# Altium PCB relay_matrix.PcbDoc (part 5 of 5)
Units mm, origin at the board's own origin, x right, y up, seen from the top; angles counter-clockwise.
Board outline 330 x 220 mm, 2 copper layers (Top Layer, Bottom Layer); 560 components, 391 nets, 2127 pads, 727 vias.
Unrouted connection lines stored in the file: 345.
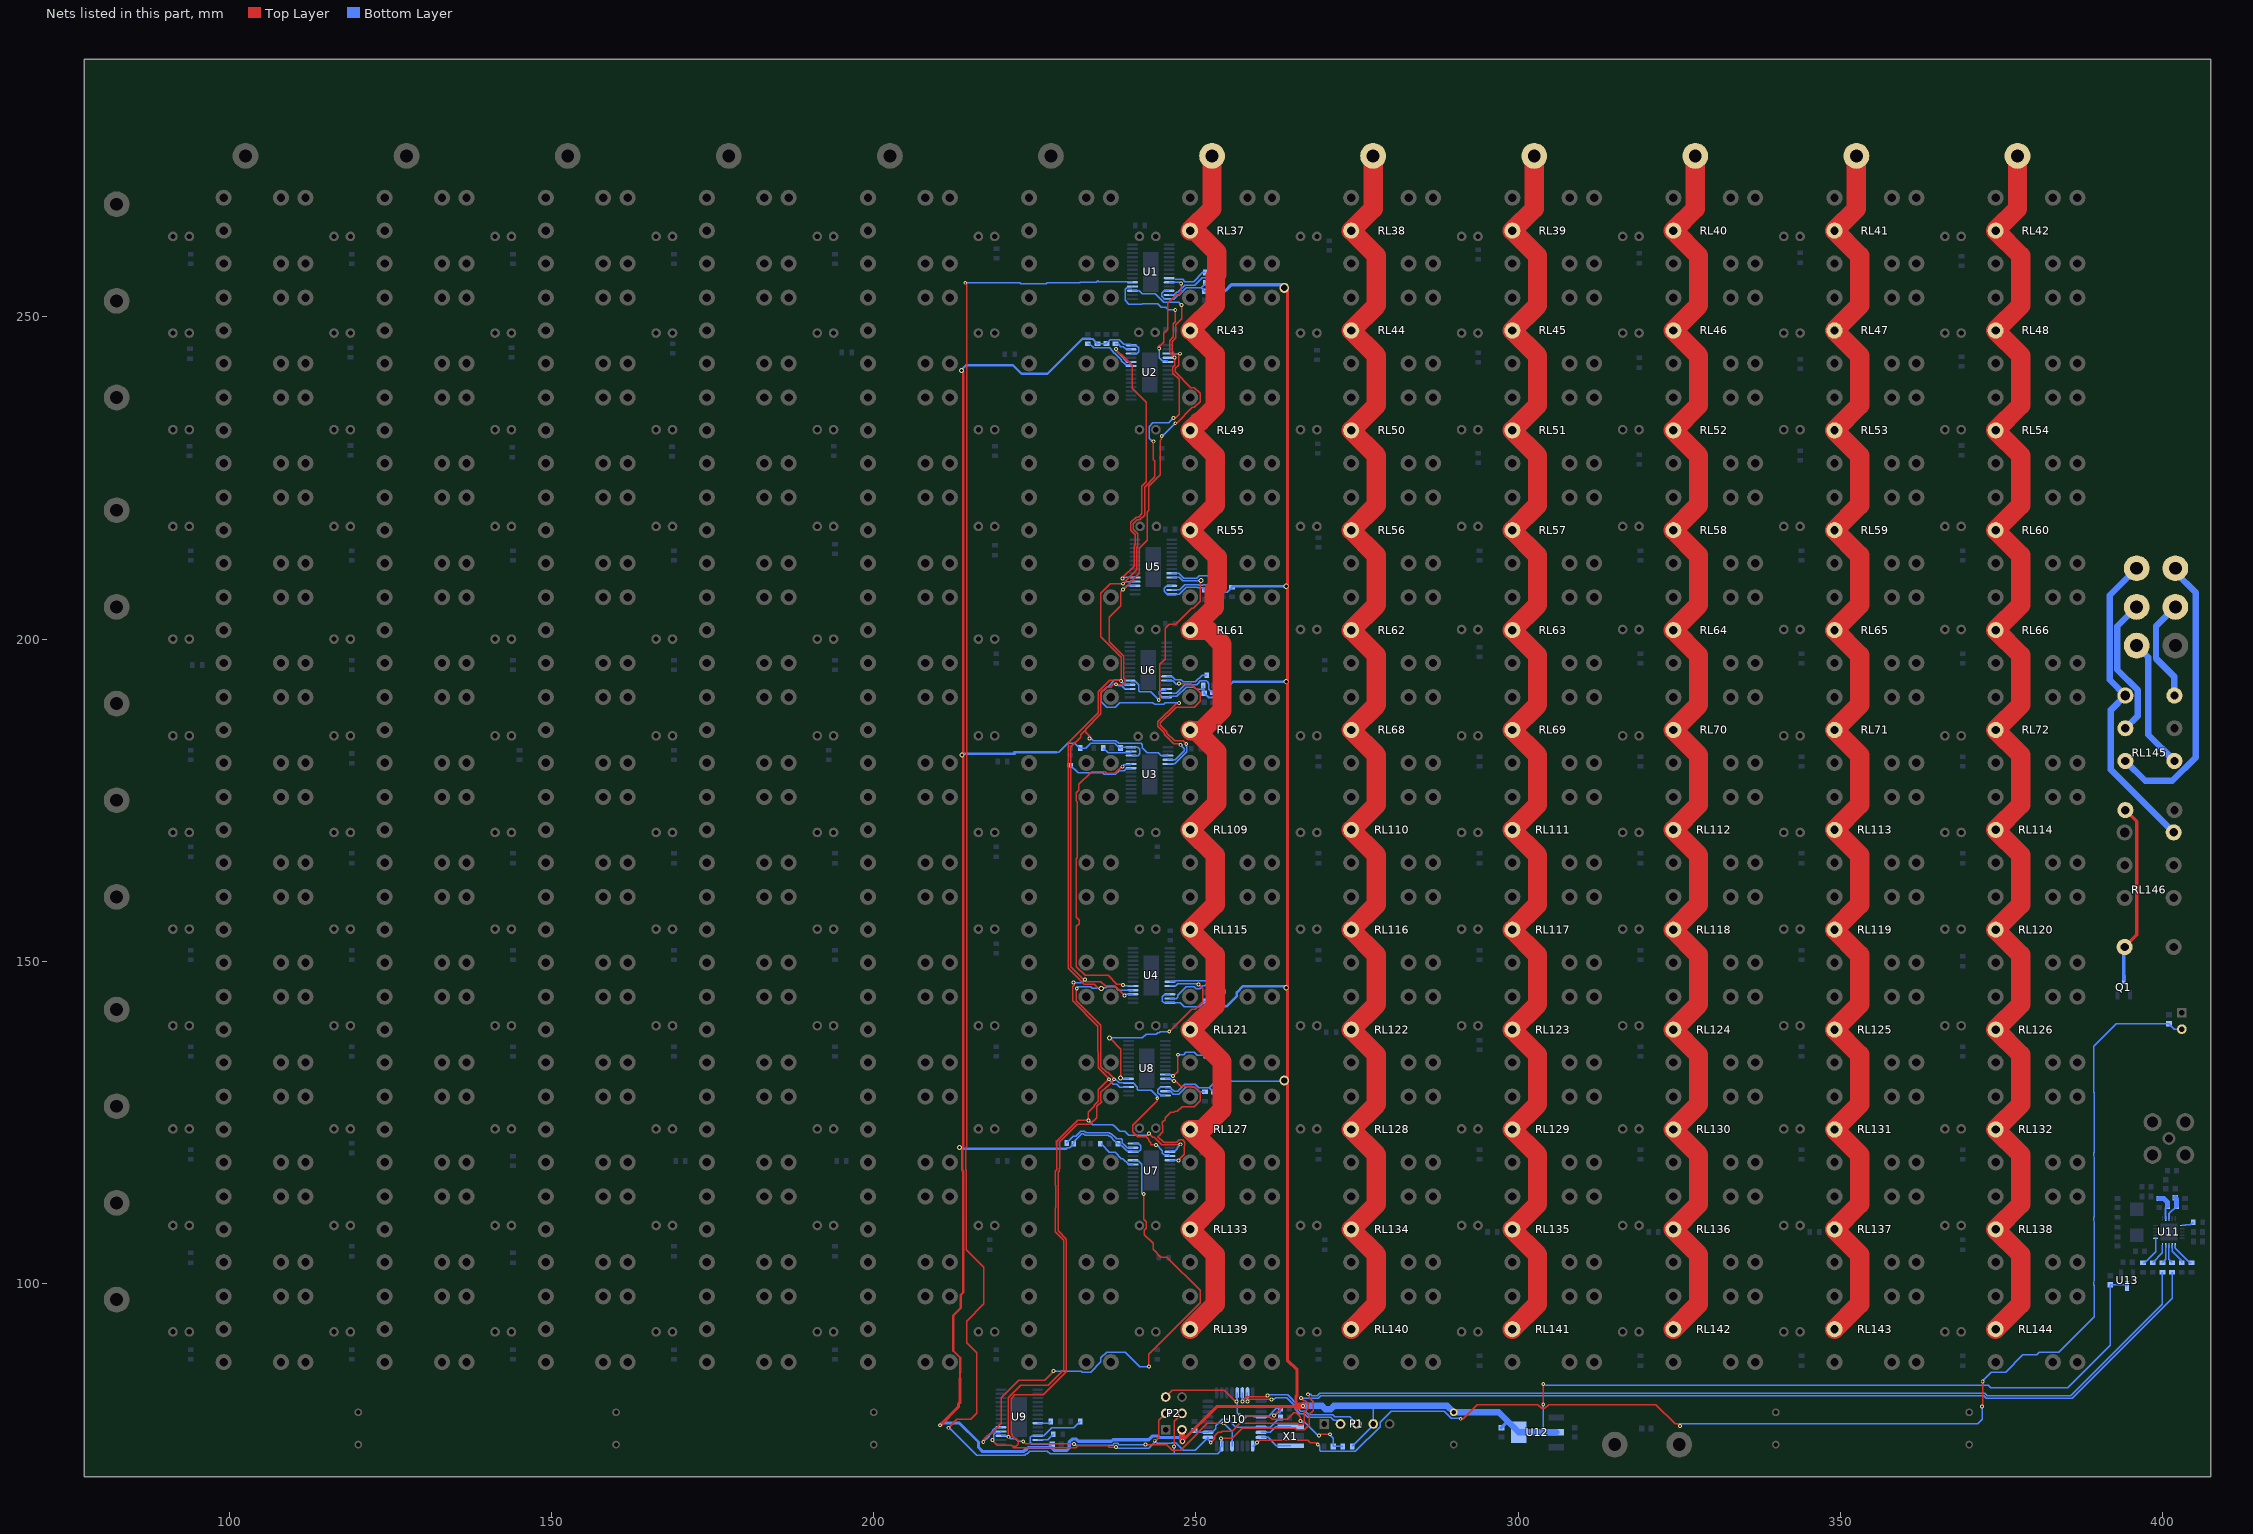
[diagram p5: the nets of this part, all layers, seen from the top]

## Via types
v1: diameter 0.8, hole 0.5, Top Layer to Bottom Layer, tented both sides, 222 vias
v2: diameter 0.8, hole 0.5, Top Layer to Bottom Layer, 209 vias
v3: diameter 0.6, hole 0.3, Top Layer to Bottom Layer, 179 vias
v4: diameter 0.5, hole 0.3, Top Layer to Bottom Layer, 108 vias
v5: diameter 7, hole 5, Top Layer to Bottom Layer, 6 vias
v6: diameter 1.5, hole 1, Top Layer to Bottom Layer, 3 vias

## Nets (pads, with @x,y where several pads share a name; then routed paths per layer and width w, separated by ;. In a path a pad name is that pad's centre, name@x,y a point inside that pad or via, vN(x,y) a via of type N, cw(c..) or ccw(c..) an arc to the next point about the centre after c; other vN are vias at no path point) (continued)
NetJ13_1: J13.1 RL37.2 RL43.2 RL49.2 RL55.2 RL61.2 RL67.2 RL109.2 RL115.2 RL121.2 RL127.2 RL133.2 RL139.2 | length 224.2
  Top Layer w3: RL139.2@249.1,92.9 253,96.8 253,104.5 RL133.2@249.1,108.4 253,112.3 253,120 RL127.2@249.1,123.9 251,123.9 254.05,126.95 254.05,134.45 RL121.2@249.1,139.4 249.303,139.4 253,143.097 253,151 RL115.2@249.1,154.9 253,158.8 253,166.5 RL109.2@249.1,170.4 253.25,174.55 253.25,182.519 249.969,185.8 249.2,185.8 RL67.2@249.1,185.9 ; 251.429,186.329 254.05,188.95 254.05,199.25 251.9,201.4 RL61.2@249.1,201.4 249.303,201.4 252.85,204.947 252.85,207.615 253.299,208.064 253.299,212.7 RL55.2@249.1,216.9 253,220.8 253,228.5 RL49.2@249.1,232.4 250.45,233.75 250.653,233.75 253,236.097 253,244.203 249.303,247.9 RL43.2@249.1,247.9 253,251.8 253,256.331 253.25,256.581 253.25,260.019 249.869,263.4 RL37.2@249.1,263.4 252.5,266.8 J13.1@252.5,275
NetJ14_1: J14.1 RL38.2 RL44.2 RL50.2 RL56.2 RL62.2 RL68.2 RL110.2 RL116.2 RL122.2 RL128.2 RL134.2 RL140.2 | length 219
  Top Layer w3: RL140.2@274.1,92.9 278,96.8 278,104.5 RL134.2@274.1,108.4 278,112.3 278,120 RL128.2@274.1,123.9 278,127.8 278,135.5 RL122.2@274.1,139.4 278,143.3 278,151 RL116.2@274.1,154.9 278,158.8 278,166.5 RL110.2@274.1,170.4 278,174.3 278,182 RL68.2@274.1,185.9 278,189.8 278,197.5 RL62.2@274.1,201.4 278,205.3 278,213 RL56.2@274.1,216.9 278,220.8 278,228.5 RL50.2@274.1,232.4 278,236.3 278,244 RL44.2@274.1,247.9 278,251.8 278,259.5 RL38.2@274.1,263.4 277.5,266.8 J14.1@277.5,275
NetJ15_1: J15.1 RL39.2 RL45.2 RL51.2 RL57.2 RL63.2 RL69.2 RL111.2 RL117.2 RL123.2 RL129.2 RL135.2 RL141.2 | length 219
  Top Layer w3: RL141.2@299.1,92.9 303,96.8 303,104.5 RL135.2@299.1,108.4 303,112.3 303,120 RL129.2@299.1,123.9 303,127.8 303,135.5 RL123.2@299.1,139.4 303,143.3 303,151 RL117.2@299.1,154.9 303,158.8 303,166.5 RL111.2@299.1,170.4 303,174.3 303,182 RL69.2@299.1,185.9 303,189.8 303,197.5 RL63.2@299.1,201.4 303,205.3 303,213 RL57.2@299.1,216.9 303,220.8 303,228.5 RL51.2@299.1,232.4 303,236.3 303,244 RL45.2@299.1,247.9 303,251.8 303,259.5 RL39.2@299.1,263.4 302.5,266.8 J15.1@302.5,275
NetJ16_1: J16.1 RL40.2 RL46.2 RL52.2 RL58.2 RL64.2 RL70.2 RL112.2 RL118.2 RL124.2 RL130.2 RL136.2 RL142.2 | length 219
  Top Layer w3: RL142.2@324.1,92.9 328,96.8 328,104.5 RL136.2@324.1,108.4 328,112.3 328,120 RL130.2@324.1,123.9 328,127.8 328,135.5 RL124.2@324.1,139.4 328,143.3 328,151 RL118.2@324.1,154.9 328,158.8 328,166.5 RL112.2@324.1,170.4 328,174.3 328,182 RL70.2@324.1,185.9 328,189.8 328,197.5 RL64.2@324.1,201.4 328,205.3 328,213 RL58.2@324.1,216.9 328,220.8 328,228.5 RL52.2@324.1,232.4 328,236.3 328,244 RL46.2@324.1,247.9 328,251.8 328,259.5 RL40.2@324.1,263.4 327.5,266.8 J16.1@327.5,275
NetJ17_1: J17.1 RL41.2 RL47.2 RL53.2 RL59.2 RL65.2 RL71.2 RL113.2 RL119.2 RL125.2 RL131.2 RL137.2 RL143.2 | length 219
  Top Layer w3: RL143.2@349.1,92.9 353,96.8 353,104.5 RL137.2@349.1,108.4 353,112.3 353,120 RL131.2@349.1,123.9 353,127.8 353,135.5 RL125.2@349.1,139.4 353,143.3 353,151 RL119.2@349.1,154.9 353,158.8 353,166.5 RL113.2@349.1,170.4 353,174.3 353,182 RL71.2@349.1,185.9 353,189.8 353,197.5 RL65.2@349.1,201.4 353,205.3 353,213 RL59.2@349.1,216.9 353,220.8 353,228.5 RL53.2@349.1,232.4 353,236.3 353,244 RL47.2@349.1,247.9 353,251.8 353,259.5 RL41.2@349.1,263.4 352.5,266.8 J17.1@352.5,275
NetJ18_1: J18.1 RL42.2 RL48.2 RL54.2 RL60.2 RL66.2 RL72.2 RL114.2 RL120.2 RL126.2 RL132.2 RL138.2 RL144.2 | length 219
  Top Layer w3: RL144.2@374.1,92.9 378,96.8 378,104.5 RL138.2@374.1,108.4 378,112.3 378,120 RL132.2@374.1,123.9 378,127.8 378,135.5 RL126.2@374.1,139.4 378,143.3 378,151 RL120.2@374.1,154.9 378,158.8 378,166.5 RL114.2@374.1,170.4 378,174.3 378,182 RL72.2@374.1,185.9 378,189.8 378,197.5 RL66.2@374.1,201.4 378,205.3 378,213 RL60.2@374.1,216.9 378,220.8 378,228.5 RL54.2@374.1,232.4 378,236.3 378,244 RL48.2@374.1,247.9 378,251.8 378,259.5 RL42.2@374.1,263.4 377.5,266.8 J18.1@377.5,275
NetJ29_1: J29.1 RL145.3 | length 20.3
  Bottom Layer w1: J29.1@396,199 397.8,197.2 397.8,185.152 RL145.3@401.863,181.089
NetJ30_1: J30.1 RL145.7 | length 16.2
  Bottom Layer w1: RL145.7@401.863,191.249 401.863,194.137 399,197 399,202 J30.1@402,205
NetJ32_1: J32.1 RL145.6 | length 22.2
  Bottom Layer w1: RL145.6@394.243,186.169 396.193,188.119 396.193,192.057 393,195.25 393,202 J32.1@396,205
NetJ33_1: J33.1 RL145.4 | length 44.4
  Bottom Layer w1: RL145.4@394.243,181.089 397.332,178 401.531,178 405.2,181.669 405.2,207.2 402,210.4 J33.1@402,211
NetL1_2: L1.2 L2.2 U11.13 | length 3.8
  Bottom Layer w0.3: U11.13@401,110.075 401,110.8 L2.2@402.2,112
  Bottom Layer w0.8: L1.2@402,113.3 402.2,113.1 L2.2@402.2,112
NetL2_1: L2.1 L3.2 U11.12 | length 4.2
  Bottom Layer w0.3: U11.12@400.5,110.075 400.5,111.7 L2.1@400.8,112
  Bottom Layer w0.8: L3.2@399.5,113.2 400.2,113.2 400.8,112.6 L2.1@400.8,112
NetQ1_1: Q1.1 RL145.2 RL146.2 | length 27.9
  Top Layer w0.5: RL146.2@394.13,152.22 396,154.09 396,171.712 RL145.2@394.243,173.469
  Bottom Layer w0.5: Q1.1@394,147.175 394,152.09 RL146.2@394.13,152.22
NetR145_2: R145.2 U1.27 | length 9.8
  Bottom Layer w0.2: U1.27@245.85,253.425 246.626,253.425 247.001,253.8 247.142,253.8 248.292,254.95 249.85,254.95 250.95,256.05 251.924,256.05 252.1,255.874 252.1,254.926 253.076,253.95 R145.2@253.1,253.95
NetR146_2: R146.2 U2.27 | length 2.9
  Bottom Layer w0.2: R146.2@237.5,245.85 R146.2@237.9,245.85 ; R146.2@237.85,245.9 R146.2@237.9,245.85 ; U2.27@239.95,244.975 239.173,244.975 238.748,245.4 238.366,245.4 237.916,245.85 R146.2@237.9,245.85
NetR147_2: R147.2 U5.27 | length 7.3
  Bottom Layer w0.2: U5.27@246.25,207.625 247.467,207.625 248.292,208.45 250.459,208.45 250.51,208.4 251.089,208.4 251.14,208.45 252,208.45 R147.2@252.8,207.65
NetR148_2: R148.2 U6.27 | length 8.5
  Bottom Layer w0.2: 246.3,191.625 246.967,191.625 248.292,192.95 249.9,192.95 ; 249.908,192.95 249.9,192.95 ; R148.2@252.6,191.65 252.576,191.65 252,192.226 252,193.1 251.8,193.3 251.8,193.374 251.624,193.55 250.676,193.55 250.5,193.374 250.5,193.334 250.116,192.95 249.9,192.95
NetR149_2: R149.2 U3.27 | length 4.7
  Bottom Layer w0.2: R149.2@235.65,183.1 235.65,183.076 236.376,182.35 239.028,182.35 239.078,182.4 239.775,182.4 U3.27@239.95,182.575
NetR150_2: R150.2 U4.27 | length 11
  Bottom Layer w0.2: U4.27@245.95,144.225 246.975,144.225 247.15,144.4 247.15,144.742 248.458,146.05 249.742,146.05 250.017,145.775 250.624,145.775 251.027,146.179 251.395,146.179 252.166,146.95 253.45,146.95 254.1,146.3 R150.2@254.1,145.25
NetR151_2: R151.2 U8.27 | length 6.7
  Bottom Layer w0.2: U8.27@245.65,129.825 245.675,129.8 246.085,129.8 246.485,129.4 247.308,129.4 248.458,130.55 249.742,130.55 250.542,129.75 R151.2@251.4,129.75
NetR152_2: R152.2 U7.27 | length 12.4
  Bottom Layer w0.2: R152.2@229.95,121.8 229.95,121.824 230.976,122.85 231.344,122.85 232.144,123.65 232.704,123.65 232.954,123.4 236.562,123.4 236.712,123.25 236.853,123.25 237.603,122.5 237.666,122.5 237.716,122.45 238.424,122.45 238.6,122.274 238.6,121.8 238.8,121.6 238.814,121.6 239.339,121.075 U7.27@240.25,121.075
NetR153_2: R153.2 U9.27 | length 2.8
  Bottom Layer w0.2: U9.27@225.45,75.725 226.975,75.725 R153.2@227.85,76.6
NetR163_1: R163.1 U11.16 | length 1.9
  Bottom Layer w0.2: U11.16@403.075,109 403.5,109 403.6,109.1 404.35,109.1 R163.1@404.75,109.5
NetR164_1: R164.1 U11.1 | length 3.9
  Bottom Layer w0.2: U11.1@402,105.925 402,105.5 404.25,103.25 R164.1@404.5,103.25
NetR165_1: R165.1 U11.2 | length 3.3
  Bottom Layer w0.2: U11.2@401.5,105.925 401.5,105 403,103.5 R165.1@403,103.25
NetR166_1: R166.1 U11.3 | length 2.9
  Bottom Layer w0.2: U11.3@401,105.925 401,103.75 R166.1@401.5,103.25
NetR167_1: R167.1 U11.4 | length 2.9
  Bottom Layer w0.2: R167.1@400,103.25 400.5,103.75 U11.4@400.5,105.925
NetR168_1: R168.1 U11.5 | length 3.3
  Bottom Layer w0.2: R168.1@398.5,103.25 400,104.75 U11.5@400,105.925
NetR169_1: R169.1 U11.6 | length 4.7
  Bottom Layer w0.2: R169.1@397,103.25 397.25,103.25 398.925,104.925 U11.6@398.925,107
NetU1_24: U1.24 U2.5 | length 17.5
  Top Layer w0.2: v3@244.1,245.3 244.421,245.621 244.521,245.621 ; v3(244.3,245.099) 244.3,245.4 244.521,245.621 ; v3(247.712,255.218) 247.712,253.804 247.358,253.45 246.914,253.45 245.6,252.136 245.6,248.073 245,247.472 245,246.1 244.521,245.621
  Bottom Layer w0.2: v3@244.3,245.3 v3(244.3,245.099) 244.3,243.678 244.778,243.2 245.475,243.2 U2.5@245.65,243.025 ; U1.24@245.85,255.375 247.555,255.375 v3(247.712,255.218)
NetU2_24: U2.24 U5.5 | length 45.7
  Top Layer w0.2: v3(237.6,245) 237.6,244.851 238.251,244.2 238.4,244.2 240.1,242.499 240.1,238.934 241.634,237.4 241.69,237.4 242.3,236.79 242.3,224.431 241.62,223.751 241.62,219.42 241.15,218.95 240.729,218.95 239.88,218.101 239.88,216.899 240.6,216.179 240.6,214.643 240.4,214.443 240.4,211.31 238.6,209.51 v3(238.6,209.4)
  Bottom Layer w0.2: v3(237.6,245) 237.641,245 237.7,244.941 237.7,244.857 237.6,244.758 238.8,243.558 238.8,243.478 239.253,243.025 U2.24@239.95,243.025 ; v3(238.6,209.4) 238.6,209.3 238.875,209.575 U5.5@240.55,209.575
NetU3_24: U3.24 U4.5 | length 48.6
  Top Layer w0.2: v3(238.6,180.2) 238.5,180.2 238.088,179.788 238,179.788 237.425,179.213 237.192,179.213 237.179,179.2 236.155,179.2 235.955,179.4 233.8,179.4 231.85,177.45 231.85,176.542 231.45,176.142 231.45,174.858 231.571,174.737 231.571,166.063 231.45,165.942 231.45,156.799 231.9,156.349 231.9,155.851 231.45,155.401 231.45,149.158 232.808,147.8 236.365,147.8 237.715,146.45 238.549,146.45 v3(238.7,146.3)
  Bottom Layer w0.2: v3(238.6,180.2) 238.6,180.3 238.787,180.487 239.812,180.487 U3.24@239.95,180.625 ; v3(238.7,146.3) 238.825,146.175 U4.5@240.25,146.175
NetU4_24: U4.24 U8.5 | length 33
  Top Layer w0.2: v2(236.6,138.1) 238.35,136.35 238.35,131.95 v2(238.3,131.9) ; v3(245.857,139.1) 245.892,139.1 249.342,142.55 249.908,142.55 251.05,143.692 251.05,145.75 v3(250.4,146.4)
  Bottom Layer w0.2: v2(236.6,138.1) 241.7,138.1 242.3,138.7 243.847,138.7 244.047,138.9 244.3,138.9 244.5,139.1 v3(245.857,139.1) ; v2(238.3,131.9) 238.2,131.999 238.2,132.1 238.525,131.775 U8.5@239.55,131.775 ; U4.24@245.95,146.175 245.975,146.2 246.851,146.2 247.151,146.5 250.3,146.5 v3(250.4,146.4)
NetU5_24: U5.24 U6.5 | length 33.3
  Top Layer w0.2: v3(244.229,190.567) 244.27,190.525 244.4,190.655 244.4,196.1 245.2,196.9 245.2,201.656 245.844,202.3 246.889,202.3 249.362,204.773 249.565,204.773 250.65,205.858 250.65,208.95 v2(250.799,209.1)
  Bottom Layer w0.2: U6.5@239.75,193.575 239.925,193.4 240.622,193.4 241.1,192.922 241.1,191.976 241.276,191.8 243,191.8 244.27,190.53 244.27,190.525 v3(244.229,190.567) ; U5.24@246.25,209.575 247.436,209.575 247.961,209.05 250.75,209.05 v2(250.799,209.1)
NetU7_5: U7.5 U8.24 | length 27.1
  Top Layer w0.2: v3(246.6,131.404) 246.847,131.404 247.651,130.6 249.344,130.6 249.394,130.55 249.742,130.55 250.65,129.642 250.65,128.358 249.742,127.45 247.842,127.45 247.092,126.7 246.7,126.7 246.603,126.603 246.082,126.603 245.203,125.725 245.203,125.404 244.8,125 244.8,124.555 244.82,124.535 244.82,123.565 244.427,123.173 244.427,123.118 244.1,122.79 244.989,121.9 246.989,121.9 247.39,122.3 247.949,122.3 248.3,121.949 248.3,121.451 248.149,121.3 248.149,120.041 247.3,119.192 v3(247.3,119.1)
  Bottom Layer w0.2: U8.24@245.25,131.775 246.025,131.775 246.396,131.404 v3(246.6,131.404) ; U7.5@245.95,119.125 247.225,119.125 247.3,119.2 v3(247.3,119.1)
NetU10_7: U10.7 X1.1 | length 5
  Bottom Layer w0.2: U10.7@260.125,76.9 261.5,76.9 262.4,77.8 X1.1@264.725,77.8
NetU10_8: U10.8 X1.3 | length 5.1
  Bottom Layer w0.2: U10.8@260.125,76.1 261.2,76.1 262.5,74.8 X1.3@264.7,74.8
RESET: C34.1 P2.5 R171.1 U10.29 | length 36.2
  Top Layer w0.2: P2.5@245.3,82.38 246.35,83.43 254.37,83.43 256.1,81.7 v3(256.3,81.7) ; v3(256.8,79.5) 258.548,79.5 261.251,79.5 261.851,78.9 264.2,78.9 265.2,79.9 265.6,79.9 266.216,79.284 v3(266.216,78.684) ; v3(269.099,76.4) v3@269.099,76.599 ; v3@269.1,76.6 v3(270.799,76.6)
  Bottom Layer w0.2: U10.29@256.4,83.025 256.4,79.9 v3(256.8,79.5) ; v3(266.216,78.684) 266.45,78.45 266.899,78.45 268.949,76.4 v3(269.099,76.4) ; v3(270.799,76.6) 270.7,76.6 271.3,76 C34.1@271.3,74.7 R171.1@272.75,74.7
RX: P1.3 U10.30 | length 21.7
  Top Layer w0.2: v3(257.2,81.7) v3@257.2,81.749 ; v3@257.2,81.8 v3@257.2,81.749 ; v3(261.1,82.6) 261.1,82.5 261,82.4 257.851,82.4 v3@257.2,81.749
  Bottom Layer w0.2: v3@257.2,81.8 U10.30@257.2,83.025 ; v3(261.1,82.6) 261.2,82.7 264.24,82.7 265.8,81.14 265.8,80.669 266.284,80.184 267.003,80.184 267.538,79.65 271.2,79.65 271.55,79.3 272.05,79.3 273.88,79.3 P1.3@274.98,78.2
SCLK: P2.3 R166.2 U1.4 U2.4 U3.4 U4.4 U5.4 U6.4 U7.4 U8.4 U9.4 U10.17 | length 503.6
  Top Layer w0.2: v3(218.4,75.7) 219.199,74.9 221.351,74.9 221.551,74.7 ; v3(231.5,145.8) 231.5,145.546 231.45,145.496 231.45,143.858 235.25,140.058 235.25,133.658 236.158,132.75 236.298,132.75 237.3,131.748 v3(237.3,131.7) 237.3,131.651 236.198,130.55 236.158,130.55 235.25,129.642 235.25,128.358 235.35,128.258 235.35,128.234 234.6,127.484 234.6,125.751 233.549,124.7 231.589,124.7 228.85,121.961 228.85,117.85 228.8,117.8 228.8,117.45 228.6,117.25 228.6,115.435 228.65,115.385 228.65,111.615 228.6,111.565 228.6,108.2 229.9,106.9 229.9,86.3 226.3,82.7 221.9,82.7 221.3,82.1 221.3,76.7 221.5,76.5 221.5,76.322 221.822,76 222,76 222.4,75.6 222.4,75.051 222.3,74.951 222.3,74.9 222.249,74.9 222.049,74.7 221.551,74.7 ; v2(235.3,145.8) 234.85,145.8 234.2,146.45 232.701,146.45 230.2,148.951 230.2,183.914 230.886,184.6 230.89,184.6 231.3,185.01 231.3,185.014 234.85,188.564 234.85,191.808 236.642,193.6 238.3,193.6 v3(238.4,193.5) 238.4,197.188 235.25,200.338 235.25,207.142 236.708,208.6 v3(238.7,208.6) 238.7,208.651 240.8,210.751 240.8,214.277 241,214.477 241,216.345 240.28,217.065 240.28,217.935 240.895,218.55 241.316,218.55 242.02,219.254 242.02,223.586 243.6,225.166 243.6,227.649 243.4,227.849 v3(243.4,230.7) ; v3(237.6,74.6) 236.548,74.6 236.348,74.8 231.648,74.8 231.349,74.5 221.751,74.5 221.551,74.7 ; v3(243.6,75.6) 243.6,75.4 244.25,76.05 244.25,78.79 P2.3@245.3,79.84 ; v3(243.8,121.5) 243.1,121.5 243,121.6 243,121.849 242.7,122.149 242.7,122.4 242.3,122.8 240.945,122.8 240.18,123.565 240.18,124.535 244,128.354 v3(244,128.75) ; v3@246.692,243.692 245.9,244.485 245.9,246.321 246.5,246.921 246.5,248.977 246.8,249.276 v3(246.8,251.099) ; v3(246.699,243.7) 246.699,242.505 246.4,242.206 246.4,241.294 247.373,240.32 247.373,234.873 246.8,234.3 ; v3(247.4,190.1) 247.3,190 247,190 246.9,189.9 246.847,189.9 245.447,188.5 245.403,188.5 244.1,187.197 244.1,186.444 245.1,185.444 245.1,185.244 246.544,183.8 247.4,183.8 v3(247.6,183.6) ; v3(252.3,75.3) 252.9,75.9 252.9,76.338 253.486,76.924 253.924,76.924 254.1,77.1 255.62,77.1 256.82,78.3 259.2,78.3 ; 259.2,78.3 265.751,78.3 265.967,78.084 266.464,78.084 266.816,78.436 266.816,80.016 267.4,80.6 267.4,81.331 266.931,81.8 266.7,81.8 v3@266.3,82.2
  Bottom Layer w0.2: v3(218.4,75.7) 218.3,75.7 218.6,76 218.6,76.572 218.878,76.85 219.575,76.85 U9.4@219.75,77.025 ; v3(231.5,145.8) 231.75,146.05 233.642,146.05 233.892,145.8 v2(235.3,145.8) 235.4,145.9 236.008,145.9 236.158,146.05 237.442,146.05 237.967,145.525 U4.4@240.25,145.525 ; v3(237.3,131.7) 237.4,131.8 237.409,131.8 238.084,131.125 U8.4@239.55,131.125 240.247,131.125 240.9,130.472 240.9,130.176 241.076,130 243.1,130 244.1,129 244.1,128.8 244,128.7 v3(244,128.75) ; v3(237.6,74.6) 237.6,74.4 242.648,74.4 243.149,74.9 243.6,75.351 v3(243.6,75.6) 244.025,75.174 246.226,75.174 246.351,75.3 246.849,75.3 248.049,74.1 249.875,74.1 U10.17@251.875,76.1 251.875,75.725 v3(252.3,75.3) ; v3(238.7,208.6) 239.025,208.925 U5.4@240.55,208.925 ; U6.4@239.75,192.925 238.889,192.925 238.614,193.2 238.6,193.2 238.4,193.4 v3(238.4,193.5) 238.3,193.6 237.351,193.6 236.301,192.55 236.158,192.55 235.25,191.642 235.25,190.358 236.158,189.45 237.442,189.45 238.142,190.15 243.321,190.15 243.571,189.9 244.1,189.9 244.125,189.925 244.151,189.9 244.999,189.9 245.2,190.1 v3(247.4,190.1) ; U1.4@240.15,254.725 239.975,254.55 239.278,254.55 239,254.272 239,252.578 239.579,251.999 241.648,251.999 241.69,252.041 244.105,252.041 244.647,251.5 245.327,251.5 245.728,251.099 v3(246.8,251.099) ; v3(243.4,230.7) 243.2,230.7 242.72,231.18 242.72,232.935 243.335,233.55 245.75,233.55 v3(246.5,234.3) ; v3@243.9,121.5 244.8,120.599 244.8,120.228 245.078,119.95 245.775,119.95 U7.4@245.95,119.775 ; U3.4@245.65,181.275 246.817,181.275 248.2,182.658 248.2,183 247.9,183.3 247.9,183.4 247.7,183.6 v3(247.6,183.6) ; v3(266.299,82.2) 267.648,82.2 ; 267.648,82.2 268.98,82.2 269.38,82.6 372.279,82.6 372.679,82.2 385.963,82.2 401.5,97.737 R166.2@401.5,101.75
SIN: P2.4 R167.2 U1.5 U10.15 | length 427.2
  Top Layer w0.2: v3(211.6,77.6) 212.9,78.9 215.026,78.9 216,79.874 216,89.26 214.43,90.83 214.43,94.17 217.08,96.82 217.08,102.52 214.375,105.225 214.375,117.609 214.3,117.684 214.3,121.115 214.4,121.215 214.4,255.1 v3(214.2,255.3) ; v3(246.6,74.7) 246.6,78.6 P2.4@247.84,79.84 ; v3@254,76 255.651,76 257.151,77.5 265.42,77.5 265.636,77.284 266.796,77.284 267.616,78.104 267.616,79.684 268.2,80.269 268.2,81.663 267.6,82.263 v3@267.6,82.7
  Bottom Layer w0.2: v3(211.6,77.6) 211.696,77.6 215.946,73.35 223.404,73.35 223.654,73.6 223.846,73.6 224.246,74 226.926,74 227.376,73.55 246.6,73.55 ; v3(214.2,255.3) 222.645,255.3 222.795,255.15 226.75,255.15 226.9,255.3 231.977,255.3 232.027,255.35 234.55,255.35 234.8,255.6 234.901,255.499 240.025,255.499 U1.5@240.15,255.375 ; v3(246.6,74.7) 246.6,73.55 ; v3(253.9,75.924) 254,75.824 U10.15@254,74.775 253.775,74.55 253.775,73.937 253.388,73.55 246.6,73.55 ; v3(267.399,82.8) 267.786,82.8 267.986,82.6 268.814,82.6 269.214,83 372.445,83 372.845,82.6 385.797,82.6 400,96.803 R167.2@400,101.75
SOUT3: U3.5 U6.24 | length 25.7
  Top Layer w0.2: v3(247.4,193.1) 249.192,193.1 250.65,191.642 250.65,190.358 249.742,189.45 246.963,189.45 245.613,188.1 245.569,188.1 244.5,187.031 244.5,186.61 245.5,185.609 245.5,185.409 246.71,184.2 248.043,184.2 v3(248.493,183.75)
  Bottom Layer w0.2: U6.24@245.45,193.575 246.369,193.575 246.944,193 247.3,193 v3(247.4,193.1) ; U3.5@245.65,180.625 246.733,180.625 248.6,182.492 248.6,183.3 248.5,183.4 248.5,183.757 v3(248.493,183.75) ; v3@247.25,192.95 v3@247.3,192.9
SOUT7: U7.24 U9.5 | length 80.4
  Top Layer w0.2: v3(217,75.4) 217,75.5 216.9,75.6 217.4,76.1 217.4,76.114 217.986,76.7 218.2,76.7 219.8,78.3 219.8,82.297 222.503,85 226.5,85 v3(227.9,86.4) ; v3(241.9,113.9) 241.9,110 242.3,109.6 242.28,109.58 242.28,108.565 242,108.285 242,107.6 243.37,106.23 243.37,105.281 244.551,104.1 245.5,104.1 250.65,98.95 250.65,96.996 242.7,89.046 v3(242.7,87.1)
  Bottom Layer w0.2: v3(217,75.4) 217.9,76.3 217.9,76.437 218.5,77.037 218.5,77.2 218.975,77.675 U9.5@219.75,77.675 ; v3(227.9,86.4) 232.208,86.4 232.358,86.25 233.642,86.25 235.25,87.858 235.25,88.442 236.158,89.35 239.01,89.35 241.26,87.1 v3(242.7,87.1) ; U7.24@240.25,119.125 240.425,118.95 241.122,118.95 241.6,118.472 241.6,114 241.8,113.8 v3(241.9,113.9)
SWITCH: C35.1 P3.2 U10.9 | length 207
  Top Layer w0.2: v3(259.499,75.3) 259.884,75.684 267.366,75.684 267.751,75.3 268.6,75.3 v3(268.9,75) ; v3(291.1,79) 291.454,79 293.654,81.2 303.051,81.2 303.651,80.6 304.149,80.6 304.749,81.2 321.354,81.2 324.354,78.2 324.8,78.2 v3(325.1,77.9) ; v3(371.999,80.9) 372.1,81 v3(372.1,84.8)
  Bottom Layer w0.2: U10.9@258.8,74.775 258.975,74.775 v3@259.499,75.299 ; v3(268.9,75) 269.2,74.7 269.2,74.126 269.376,73.95 272.276,73.95 274.755,73.95 278.57,77.765 278.57,78.47 280.3,80.2 288.527,80.2 289.627,79.1 291.1,79.1 v3(291.1,79) ; v3(325.1,77.9) 325,78 324.9,78 325.1,78.2 371.3,78.2 371.999,78.899 v3(371.999,80.9) ; v3(372.1,84.8) 372.1,84.9 373.45,86.25 375.65,86.25 378.35,88.95 379.494,88.95 379.544,88.9 380.456,88.9 380.906,89.35 383.916,89.35 389.4,94.834 389.4,99.61 389.3,99.71 389.3,100.29 389.4,100.39 389.4,109.61 389.3,109.71 389.3,110.29 389.4,110.39 389.4,119.61 389.3,119.71 389.3,120.29 389.4,120.39 389.4,129.61 389.3,129.71 389.3,136.8 392.8,140.3 C35.1@401,140.3 401.84,139.46 P3.2@403,139.46
TX: P1.2 U10.31 | length 18
  Top Layer w0.2: v3(258,81.7) 258.3,82 v3(261.7,82)
  Bottom Layer w0.2: v3(258,81.7) U10.31@258,83.025 ; v3(261.7,82) 262.051,82 262.351,82.3 264.074,82.3 265.4,80.974 265.4,80.503 266.119,79.784 266.838,79.784 267.372,79.25 270.936,79.25 271.386,78.8 271.84,78.8 P1.2@272.44,78.2
VCC: C1.2 C2.2 C3.2 C4.2 C6.2 C7.2 C8.2 C9.2 C11.2 C16.1 C17.1 C18.1 C28.1 C29.1 C32.1 P1.4 P2.2 R154.1 R155.1 R156.1 R157.1 R158.1 R159.1 R160.1 R161.1 R162.1 R171.2 U1.26 U1.28 U2.26 U2.28 U3.26 U3.28 U4.26 U4.28 U5.26 U5.28 U6.26 U6.28 U7.26 U7.28 U8.26 U8.28 U9.26 U9.28 U10.4 U10.6 U10.18 U12.2 U12.4 U13.3 | length 829.1
  Top Layer w0.2: v3(262.1,79.5) 263.5,80.9 ; v3(303.9,81.2) v3(303.9,84.4)
  Top Layer w0.35: 213.4,85.2 213.4,86.15 213.425,86.175 213.425,88.473 212.355,89.543 212.355,95.03 213.505,96.18 213.505,98.207 213.9,98.602 213.9,117.412 213.725,117.587 213.725,121.212 213.9,121.387 213.9,241.4 v2(213.6,241.7)
  Top Layer w0.4: v2(213.3,121.1) 213.613,121.1 213.725,121.212
  Top Layer w0.5: v3(210.3,78) 213.15,80.85 213.15,81.311 213.4,81.561 213.4,85.2 ; v2(247.9,75.5) 247.8,75.5 247.85,75.55 253.2,80.9 263.5,80.9 265.7,80.9 265.549,81.051 265.549,82.51 265.7,82.661 265.7,86.6 264.2,88.1 264.2,254 v6(263.7,254.5)
  Top Layer w1: P2.2@247.84,77.3 247.84,75.56 247.85,75.55 v2(247.9,75.5) ; 265.7,80.9 265.8,81 v3(266.6,81)
  Bottom Layer w0.2: C9.2@227.6,74.6 227.557,74.643 227.125,75.075 U9.28@225.45,75.075 224.553,75.075 224.3,75.328 224.3,76.1 224.575,76.375 U9.26@225.45,76.375 226.4,76.375 227.4,77.375 227.625,77.6 231.05,77.6 R162.1@232.05,78.6 ; 228.3,182.45 228.676,182.45 230.076,183.85 231.2,183.85 231.95,183.1 R158.1@232.05,183.1 232.926,183.1 233.676,183.85 237.424,183.85 238.174,183.1 C11.2@238.3,183.1 238.425,183.225 U3.28@239.95,183.225 ; 229.85,120.9 230,121.05 230.424,121.05 231.05,121.676 R161.1@231.05,121.7 231.05,121.99 232.31,123.25 232.538,123.25 232.788,123 236.396,123 236.546,122.85 236.687,122.85 237.437,122.1 237.5,122.1 C8.2@237.9,121.7 238.134,121.7 238.634,121.2 238.649,121.2 239,120.849 239,120.834 239.234,120.6 240.075,120.6 U7.26@240.25,120.425 241.047,120.425 241.4,120.778 241.4,121.4 241.075,121.725 U7.28@240.25,121.725 ; R155.1@234.7,245.85 236.05,245.85 C2.2@236.1,245.9 236.7,246.5 238.074,246.5 238.775,245.8 239.775,245.8 U2.28@239.95,245.625 240.675,245.625 241.1,245.2 241.1,244.6 240.825,244.325 U2.26@239.95,244.325 ; U3.26@240.15,181.925 241.025,181.925 241.3,182.2 241.3,182.9 240.975,183.225 U3.28@240.15,183.225 ; U8.28@245.25,129.175 244.553,129.175 244.1,129.628 244.1,130.1 244.475,130.475 U8.26@245.25,130.475 245.321,130.404 246.13,130.404 246.2,130.335 246.2,130.251 246.651,129.8 247.142,129.8 248.292,130.95 249.908,130.95 250.458,130.4 252.1,130.4 ; U6.26@245.45,192.275 245.275,192.1 244.578,192.1 244.3,191.822 244.3,191.428 244.753,190.975 U6.28@245.45,190.975 245.75,190.975 245.925,191.15 247.058,191.15 248.458,192.55 249.742,192.55 250.092,192.2 251.15,192.2 ; U1.26@245.85,254.075 245.075,254.075 244.7,253.7 244.7,253.228 245.153,252.775 U1.28@245.85,252.775 246.547,252.775 247,253.228 247,253.234 247.166,253.4 247.308,253.4 248.458,254.55 250.85,254.55 ; U4.26@245.95,144.875 245.175,144.875 244.8,144.5 244.8,143.828 245.053,143.575 U4.28@245.95,143.575 247.6,143.575 248.225,142.95 250.55,142.95 C6.2@251.4,143.8 252.75,143.8 R159.1@252.8,143.75 ; U5.26@246.25,208.275 245.475,208.275 245.1,207.9 245.1,207.4 245.525,206.975 U5.28@246.25,206.975 247.383,206.975 248.458,208.05 250.293,208.05 250.344,208 251,208 C3.2@251.4,207.6 252,207 253.326,207 253.626,207.3 254.85,207.3 R156.1@255.6,208.05 ; C18.1@249.8,77.2 250.1,76.9 U10.18@251.875,76.9 251.975,77 252.588,77 253.05,77.462 253.05,77.899 254.051,78.9 255,78.9 256.2,77.7 ; R157.1@251.15,192.8 251.15,192.2 ; C4.2@251.3,191.6 251.3,192.05 251.15,192.2 ; C1.2@251.4,254 250.85,254.55 ; R154.1@251.45,255.3 251.45,255.15 250.85,254.55 ; C7.2@252.8,129.7 252.1,130.4 ; R160.1@253.1,132.35 253.1,131.4 ; v3(262.1,79.5) 262.1,79.4 262.6,79.9 263.1,79.9 C16.1@263.1,80.6 262.5,80.6 261.2,79.3 U10.4@260.125,79.3 258.948,79.3 258.748,79.5 258,79.5 256.2,77.7 ; C17.1@263.1,79.2 263,79.2 261.5,77.7 U10.6@260.125,77.7 256.2,77.7 ; v6(263.7,131.5) 264,131.5 263.9,131.4 253.1,131.4 ; R171.2@274.25,74.7 277.52,77.97 P1.4@277.52,78.2 277.52,80.88 277.4,81 ; 303.9,76.9 v3(303.9,81.2) ; 304.134,84.2 372.942,84.2 373.342,83.8 385.3,83.8 391.9,90.4 C32.1@391.9,99.8 394.3,99.8 U13.3@394.5,99.6 ; 252.1,130.4 253.1,131.4
  Bottom Layer w0.35: v2(213.6,241.7) 213.6,241.8 214.3,242.5 221.6,242.5 222.925,241.175 226.975,241.175 232.4,246.6 233.6,246.6 233.625,246.575 233.975,246.575 R155.1@234.7,245.85 ; C4.2@251.3,191.6 251.975,190.925 253.325,190.925 255.8,193.4 v2(264,193.4) ; C1.2@251.4,254 251.72,254 252.495,253.225 253.725,253.225 254.6,254.1
  Bottom Layer w0.4: v2(213.3,121.1) 213.4,121.1 213.6,120.9 229.85,120.9 ; v2(213.7,182) 213.6,182.1 213.7,182.2 221.85,182.2 222.1,182.45 ; 221.8,182.4 221.85,182.45 222.1,182.45 ; 228.3,182.45 222.1,182.45 ; R159.1@252.8,143.75 252.8,143.684 253.484,143 254.716,143 256.35,144.634 256.35,145.183 257.317,146.15 264.15,146.15 264.2,146.1 v2(264,145.9) ; R156.1@255.6,208.05 255.75,208.2 v2(264,208.2)
  Bottom Layer w0.5: v3(210.3,78) 210.65,78.35 213.3,78.35 216.25,75.4 216.25,74.589 216.93,73.909 223.185,73.909 223.427,74.15 223.618,74.15 224.018,74.55 227.464,74.55 C9.2@227.514,74.6 ; C9.2@227.557,74.643 C9.2@227.514,74.6 ; v2(247.9,75.5) 247.3,76.1 244.364,76.1 244.114,76.35 243.289,76.35 242.689,75.75 237.123,75.75 236.873,75.5 231.761,75.5 231.411,75.85 230.789,75.85 230.35,75.411 230.35,74.464 229.986,74.1 228.014,74.1 227.6,74.514 227.6,74.6 C9.2@227.514,74.6 ; 254.6,254.1 255.5,255 v6@264,255 ; C29.1@297.4,77.6 298.4,78.6
  Bottom Layer w1: 267.3,81 v3(266.6,81) 269.586,81 270.086,80.5 270.914,80.5 271.414,81 277.4,81 289,81 C28.1@290,80 297,80 298.4,78.6 U12.4@300.1,76.9 303.9,76.9 U12.2@305.9,76.9
VMS: J31.1 RL145.8 RL146.7 | length 48.7
  Bottom Layer w1: J31.1@396,211 391.8,206.8 391.8,193.692 RL145.8@394.243,191.249 392,189.006 392,179.75 RL146.7@401.75,170
XERR0: D145.2 U1.23 | length 5.5
  Bottom Layer w0.2: 246.7,255.872 246.748,255.823 247.956,255.823 248.279,255.5 249.69,255.5 251.09,256.9 D145.2@251.45,256.9
XERR1: D146.2 U2.23 | length 8.3
  Bottom Layer w0.2: D146.2@233.2,245.85 233.476,245.85 234.126,245.2 236.592,245.2 237,244.793 237,244.751 237.351,244.4 237.393,244.4 238.4,243.392 238.4,243.228 239.078,242.55 239.775,242.55 U2.23@239.95,242.375
XERR2: D147.2 U5.23 | length 9
  Bottom Layer w0.2: U5.23@246.25,210.225 247.352,210.225 248.127,209.45 250.16,209.45 250.51,209.8 252.35,209.8 D147.2@254.1,208.05
XERR3: D148.2 U6.23 | length 7
  Bottom Layer w0.2: U6.23@245.45,194.225 246.285,194.225 246.81,193.7 247.151,193.7 247.649,193.7 247.999,193.35 249.91,193.35 250.96,194.4 D148.2@251.65,194.4
XERR4: D149.2 U3.23 | length 10.5
  Bottom Layer w0.2: D149.2@230.5,180.45 231.7,179.25 235.55,179.25 235.8,179 237.5,179 238.1,179.6 238.848,179.6 239.148,179.9 239.875,179.9 U3.23@239.95,179.975
XERR5: D150.2 U4.23 | length 7.3
  Bottom Layer w0.2: U4.23@245.95,146.825 246.647,146.825 246.822,147 251.65,147 252.45,147.8 D150.2@252.8,147.8
XERR6: D154.2 U8.23 | length 9.8
  Top Layer w0.2: v3(246.459,132.204) 247.15,132.895 247.15,135.45 v3(247.2,135.5)
  Bottom Layer w0.2: U8.23@245.25,132.425 246.52,132.425 246.52,132.265 v3(246.459,132.204) ; v3(247.2,135.5) 248.1,135.5 248.45,135.85 249.742,135.85 250.192,135.4 D154.2@251.55,135.4
XERR7: D151.2 U7.23 | length 6.3
  Bottom Layer w0.2: D151.2@235.35,121.7 235.35,121.576 236.576,120.35 237.442,120.35 238.417,119.375 238.645,119.375 239.545,118.475 U7.23@240.25,118.475
XERR8: D152.2 U9.23 | length 2.1
  Bottom Layer w0.2: U9.23@225.45,78.325 227.175,78.325 D152.2@227.45,78.6
XLAT: U1.3 U2.3 U3.3 U4.3 U5.3 U6.3 U7.3 U8.3 U9.3 U10.13 | length 309.8
  Top Layer w0.2: v3(220.9,76.205) 220.9,82.266 222.834,84.2 227.114,84.2 229.5,86.586 229.5,106.734 228.2,108.034 228.2,111.731 228.25,111.781 228.25,115.219 228.2,115.269 228.2,117.416 228.4,117.616 228.4,122.077 231.623,125.3 v3(233.3,125.3) 233.3,126.6 234.2,127.5 234.2,127.65 234.85,128.3 234.85,130.05 v3(236.5,131.7) 236.5,131.843 234.85,133.492 234.85,135.95 234.8,136 234.8,139.942 230.9,143.842 230.9,146.049 231.1,146.249 231.1,146.7 v3(231,146.7) ; v3(223.2,75.5) 223.6,75.1 v3(231.1,75.1) ; v3@232.691,147.091 230.6,149.181 230.6,183.3 232.1,184.8 232.1,185.148 232.9,185.948 ; v3@232.8,146.981 232.931,146.85 235.24,146.85 235.89,146.2 237.399,146.2 v3(238.9,144.7) ; v3(233.5,184.6) 233.5,184.951 232.9,185.551 232.9,185.948 ; v3(237.6,193) 237.699,192.9 238.649,192.9 239,193.251 239,193.749 238.8,193.949 238.8,197.354 236.58,199.574 236.58,203.426 238.35,205.196 238.35,207.35 v3(238.7,207.7) 241.2,210.2 241.2,214.111 242.42,215.331 242.42,219.72 242.7,220 242.7,223.7 244.5,225.5 244.5,230.838 244.6,230.938 v3@244.6,231.6 ; v3(237.6,193) 237.2,193 236.75,192.55 236.158,192.55 235.25,191.642 235.25,188.399 232.9,186.048 232.9,185.948 ; v3@242.2,74.9 v3(242.2,75) ; v3@242.2,74.9 242.3,75 243.151,75 244.048,75 245.451,75 246.351,74.1 246.849,74.1 247.631,74.1 248.231,74.7 248.7,75.169 248.7,75.214 251.786,78.3 ; v3(242.7,123.3) 243.3,122.7 243.5,122.7 244.7,121.5 247.155,121.5 247.355,121.7 247.7,121.7 v3(247.6,121.6) ; v3(246.8,233.5) 247,233.5 249.45,235.95 249.742,235.95 250.65,236.858 250.65,238.142 249.742,239.05 249.21,239.05 246.8,241.46 246.8,242.04 247.299,242.54 247.299,243.757 ; 247.3,243.757 247.3,244.1 v3(247.5,244.3) 246.651,244.3 246.3,244.651 246.3,246.155 246.9,246.756 246.9,248.811 247.775,249.686 v3(247.775,251.85) ; 252.1,78.3 251.786,78.3 ; v3(254.3,78.3) 251.786,78.3
  Bottom Layer w0.2: U9.3@219.75,76.375 220.525,76.375 v3@220.798,76.102 ; v3(220.9,76.205) 220.971,76.205 221.276,75.9 222.049,75.9 222.449,75.5 v3(223.2,75.5) ; v3(231,146.7) 232.3,146.7 v3(232.8,147.2) ; v3(231.1,75.1) 231,75.1 231.2,74.9 237.051,74.9 237.351,75.2 237.848,75.2 238.048,75 v3(242.2,75) ; v3(233.3,125.3) 234,124.6 237.059,124.6 237.209,124.45 237.35,124.45 238.1,123.7 238.163,123.7 238.213,123.65 238.921,123.65 239.549,123.023 240.623,123.023 240.6,123 242.5,123 242.8,123.3 v3(242.7,123.3) ; v3@233.5,184.8 234.05,184.25 237.59,184.25 237.99,183.85 241.477,183.85 241.7,183.627 241.7,183.134 242.434,182.4 244.124,182.4 244.599,181.925 U3.3@245.65,181.925 245.475,182.1 ; 236.7,131.451 237.201,130.95 237.694,130.95 238.169,130.475 U8.3@239.55,130.475 ; v3@237.7,193.1 238,192.8 238.449,192.8 238.974,192.275 U6.3@239.75,192.275 ; v3(238.7,207.7) 239.275,208.275 U5.3@240.55,208.275 ; v3@238.975,144.875 U4.3@240.25,144.875 ; U1.3@240.15,254.075 241.201,254.075 241.676,253.6 243.678,253.6 244.978,252.3 247.325,252.3 v3(247.775,251.85) ; v3(244.7,231.5) 244.8,231.5 v3(246.8,233.5) ; U7.3@245.95,120.425 246.125,120.6 246.822,120.6 247.1,120.878 247.1,121.1 v3(247.6,121.6) ; 246.5,244.3 v3(247.5,244.3) ; v3(254.3,78.3) 255.6,77 U10.13@255.6,74.775
pads on no net: RL1.4 RL1.5 RL1.6 RL2.4 RL2.5 RL2.6 RL3.4 RL3.5 RL3.6 RL4.4 RL4.5 RL4.6 RL5.4 RL5.5 RL5.6 RL6.4 RL6.5 RL6.6 RL7.4 RL7.5 RL7.6 RL8.4 RL8.5 RL8.6 RL9.4 RL9.5 RL9.6 RL10.4 RL10.5 RL10.6 RL11.4 RL11.5 RL11.6 RL12.4 RL12.5 RL12.6 RL13.4 RL13.5 RL13.6 RL14.4 RL14.5 RL14.6 RL15.4 RL15.5 RL15.6 RL16.4 RL16.5 RL16.6 RL17.4 RL17.5 RL17.6 RL18.4 RL18.5 RL18.6 RL19.4 RL19.5 RL19.6 RL20.4 RL20.5 RL20.6 RL21.4 RL21.5 RL21.6 RL22.4 RL22.5 RL22.6 RL23.4 RL23.5 RL23.6 RL24.4 RL24.5 RL24.6 RL25.4 RL25.5 RL25.6 RL26.4 RL26.5 RL26.6 RL27.4 RL27.5 RL27.6 RL28.4 RL28.5 RL28.6 RL29.4 RL29.5 RL29.6 RL30.4 RL30.5 RL30.6 RL31.4 RL31.5 RL31.6 RL32.4 RL32.5 RL32.6 RL33.4 RL33.5 RL33.6 RL34.4 RL34.5 RL34.6 RL35.4 RL35.5 RL35.6 RL36.4 RL36.5 RL36.6 RL37.4 RL37.5 RL37.6 RL38.4 RL38.5 RL38.6 RL39.4 RL39.5 RL39.6 RL40.4 RL40.5 RL40.6 RL41.4 RL41.5 RL41.6 RL42.4 RL42.5 RL42.6 RL43.4 RL43.5 RL43.6 RL44.4 RL44.5 RL44.6 RL45.4 RL45.5 RL45.6 RL46.4 RL46.5 RL46.6 RL47.4 RL47.5 RL47.6 RL48.4 RL48.5 RL48.6 RL49.4 RL49.5 RL49.6 RL50.4 RL50.5 RL50.6 RL51.4 RL51.5 RL51.6 RL52.4 RL52.5 RL52.6 RL53.4 RL53.5 RL53.6 RL54.4 RL54.5 RL54.6 RL55.4 RL55.5 RL55.6 RL56.4 RL56.5 RL56.6 RL57.4 RL57.5 RL57.6 RL58.4 RL58.5 RL58.6 RL59.4 RL59.5 RL59.6 RL60.4 RL60.5 RL60.6 RL61.4 RL61.5 RL61.6 RL62.4 RL62.5 RL62.6 RL63.4 RL63.5 RL63.6 RL64.4 RL64.5 RL64.6 RL65.4 RL65.5 RL65.6 RL66.4 RL66.5 RL66.6 RL67.4 RL67.5 RL67.6 RL68.4 RL68.5 RL68.6 RL69.4 RL69.5 RL69.6 RL70.4 RL70.5 RL70.6 RL71.4 RL71.5 RL71.6 RL72.4 RL72.5 RL72.6 RL73.4 RL73.5 RL73.6 RL74.4 RL74.5 RL74.6 RL75.4 RL75.5 RL75.6 RL76.4 RL76.5 RL76.6 RL77.4 RL77.5 RL77.6 RL78.4 RL78.5 RL78.6 RL79.4 RL79.5 RL79.6 RL80.4 RL80.5 RL80.6 RL81.4 RL81.5 RL81.6 RL82.4 RL82.5 RL82.6 RL83.4 RL83.5 RL83.6 RL84.4 RL84.5 RL84.6 RL85.4 RL85.5 RL85.6 RL86.4 RL86.5 RL86.6 RL87.4 RL87.5 RL87.6 RL88.4 RL88.5 RL88.6 RL89.4 RL89.5 RL89.6 RL90.4 RL90.5 RL90.6 RL91.4 RL91.5 RL91.6 RL92.4 RL92.5 RL92.6 RL93.4 RL93.5 RL93.6 RL94.4 RL94.5 RL94.6 RL95.4 RL95.5 RL95.6 RL96.4 RL96.5 RL96.6 RL97.4 RL97.5 RL97.6 RL98.4 RL98.5 RL98.6 RL99.4 RL99.5 RL99.6 RL100.4 RL100.5 RL100.6 RL101.4 RL101.5 RL101.6 RL102.4 RL102.5 RL102.6 RL103.4 RL103.5 RL103.6 RL104.4 RL104.5 RL104.6 RL105.4 RL105.5 RL105.6 RL106.4 RL106.5 RL106.6 RL107.4 RL107.5 RL107.6 RL108.4 RL108.5 RL108.6 RL109.4 RL109.5 RL109.6 RL110.4 RL110.5 RL110.6 RL111.4 RL111.5 RL111.6 RL112.4 RL112.5 RL112.6 RL113.4 RL113.5 RL113.6 RL114.4 RL114.5 RL114.6 RL115.4 RL115.5 RL115.6 RL116.4 RL116.5 RL116.6 RL117.4 RL117.5 RL117.6 RL118.4 RL118.5 RL118.6 RL119.4 RL119.5 RL119.6 RL120.4 RL120.5 RL120.6 RL121.4 RL121.5 RL121.6 RL122.4 RL122.5 RL122.6 RL123.4 RL123.5 RL123.6 RL124.4 RL124.5 RL124.6 RL125.4 RL125.5 RL125.6 RL126.4 RL126.5 RL126.6 RL127.4 RL127.5 RL127.6 RL128.4 RL128.5 RL128.6 RL129.4 RL129.5 RL129.6 RL130.4 RL130.5 RL130.6 RL131.4 RL131.5 RL131.6 RL132.4 RL132.5 RL132.6 RL133.4 RL133.5 RL133.6 RL134.4 RL134.5 RL134.6 RL135.4 RL135.5 RL135.6 RL136.4 RL136.5 RL136.6 RL137.4 RL137.5 RL137.6 RL138.4 RL138.5 RL138.6 RL139.4 RL139.5 RL139.6 RL140.4 RL140.5 RL140.6 RL141.4 RL141.5 RL141.6 RL142.4 RL142.5 RL142.6 RL143.4 RL143.5 RL143.6 RL144.4 RL144.5 RL144.6 RL146.4 RL146.5 RL146.6 RL146.8 U9.24 U10.19 U10.20 U10.22 U10.23 U10.24 U10.25 U10.26 U10.27 U10.28 U10.32 U11.21
copper on no net:
  other v3: 400.45,107.45 401.55,107.45 400.45,108.55 401.55,108.55

## Polygon pours and split planes (outlines as drawn)
GND on Bottom Layer "Top Layer-GND" (solid, remove dead copper, shelved, pour order 3): 77,70 77,290 408,290 408,70
GND on Top Layer "Top Layer-No Net" (solid, remove dead copper, shelved, pour order 4): 77,70 77,290 408,290 408,70

## Keep-outs
Keep-Out Layer:
  lines w0.1: 77,70 407,70 407,290 77,290 77,70

## Silkscreen, mask and mechanical layers (free items; w line width, h text height)
Bottom Overlay:
  text "Tech-thing OÜ" at 433.1,279.2 h0 r90
  text "Audio relay matrix" at 398.5,251.2 h2 r90
  text "Tech-thing OU 2014" at 405.3,250.9 h2 r90
  text "VOCODER" at 406,216 h1 r90
  text "VOICE" at 392,214 h1 r90
  text "SRC" at 397,214 h1
  text "DST" at 403,214 h1
  text "ROOM" at 392,207 h1 r90
  text "ROOM" at 406,207 h1 r90
  text "VOCODER" at 392,201 h1 r90
  text "HEADPHONES" at 406,201 h1 r90
  text "SWITCH" at 406,143 h1 r90
  text "GND" at 328.8,77.9 h2
  text "+12V" at 317.7,77.6 h2
Mechanical 1:
  lines w0.1: 77,70 407,70 407,290 77,290 77,70

## Text inside footprints (layer, text, board x,y; h text height)
P2: Bottom Overlay "2" at 247.332,75.268 h1.27 r270; Bottom Overlay "1" at 244.792,75.268 h1.27 r270; Bottom Overlay "5" at 244.792,83.904 h1.27 r270; Bottom Overlay "6" at 247.332,83.904 h1.27 r270